# Altium PCB XMOS_TSBOARD.PcbDoc (part 2 of 3)
Units mil, origin at the board's own origin, x right, y up, seen from the top; angles counter-clockwise.
Board outline 7212.32 x 3175.44 mil, 4 copper layers (Top Layer, Ground Layer, Power Layer, Bottom Layer), stack 62.502 mil thick; 361 components, 214 nets, 1129 pads, 632 vias.
Unrouted connection lines stored in the file: 5.
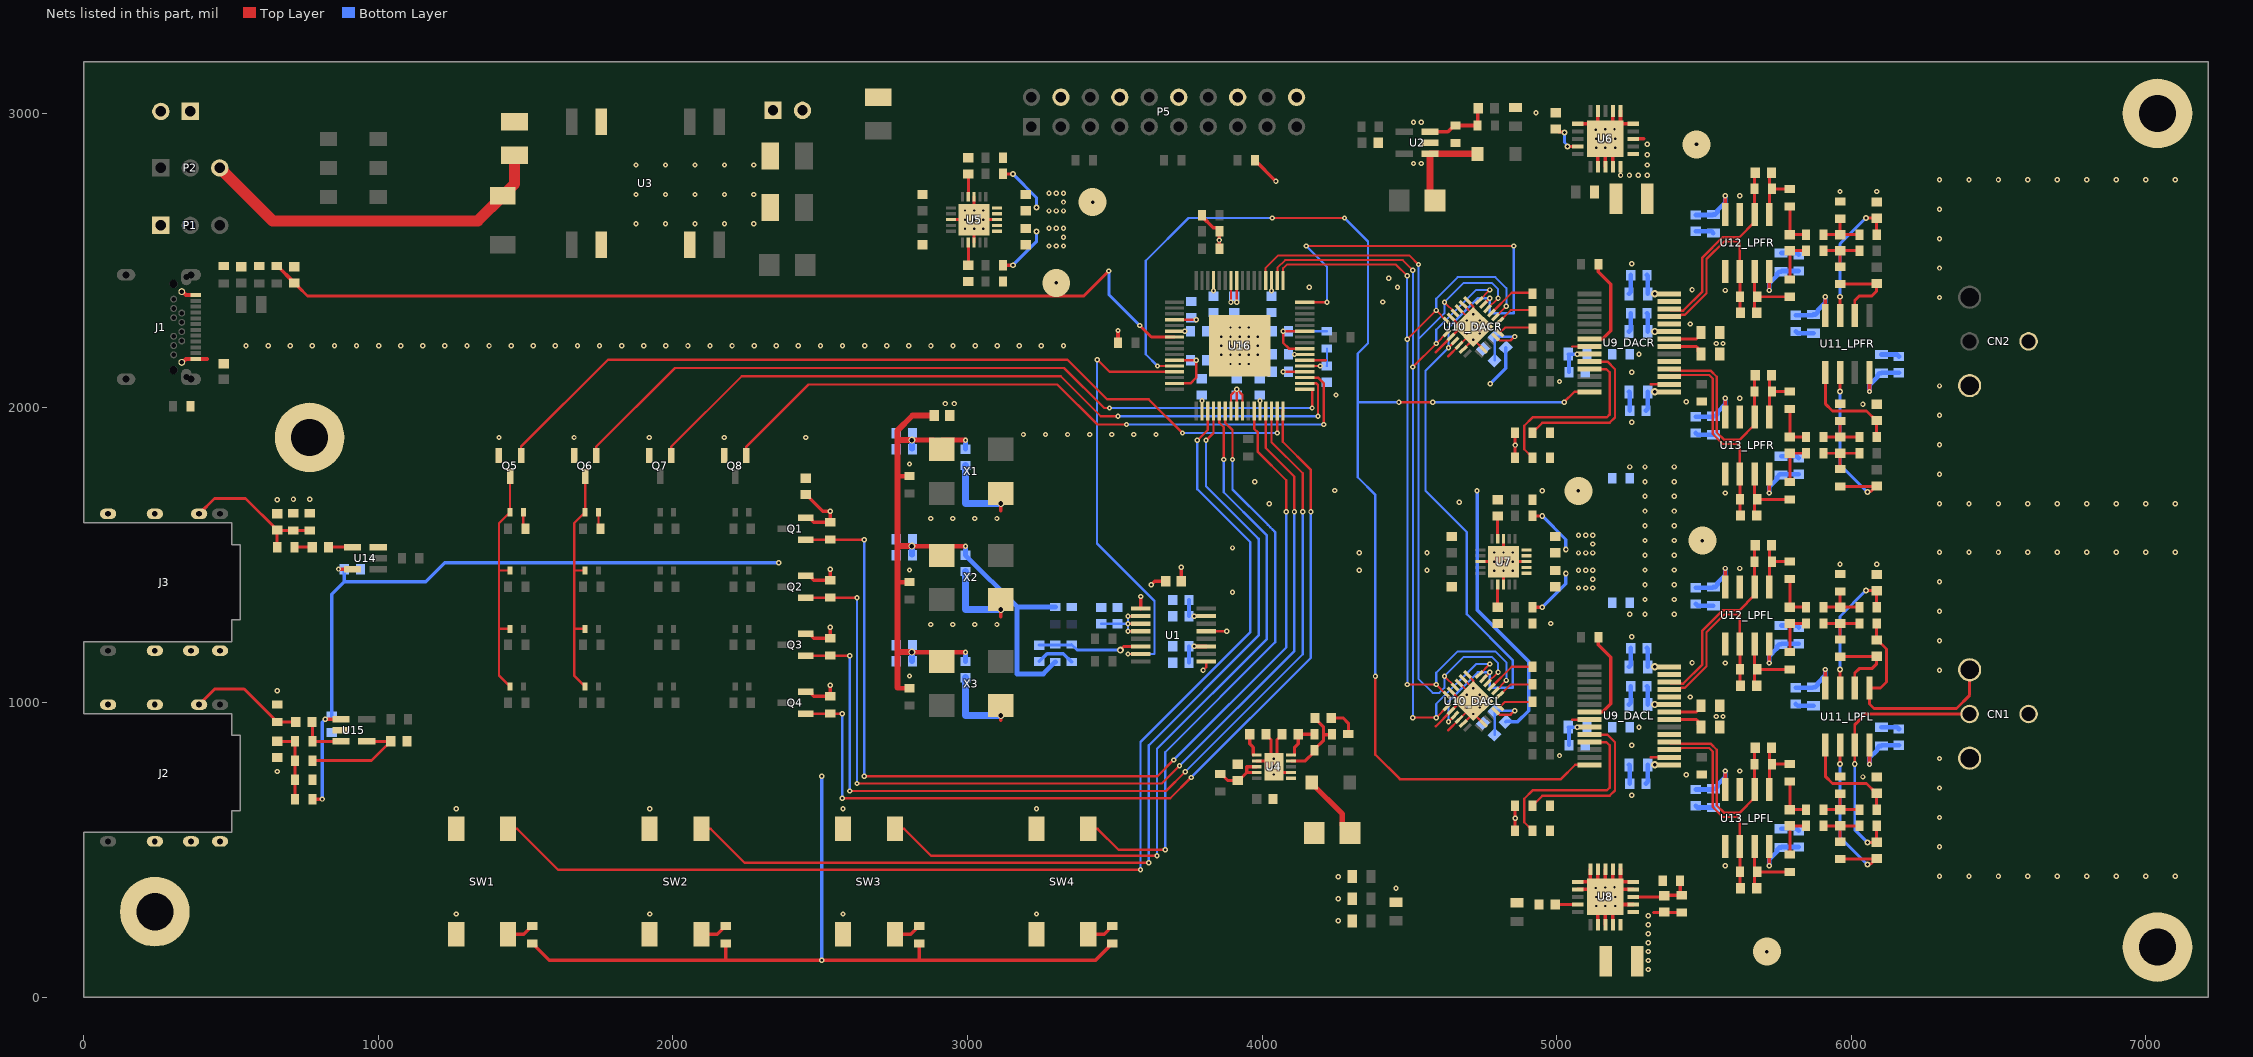
[diagram p4: the nets of this part, all layers, seen from the top]

## Via types
v1: diameter 18, hole 8, Top Layer to Bottom Layer, tented both sides, 573 vias
v2: diameter 20, hole 10, Top Layer to Bottom Layer, tented both sides, 28 vias
v3: diameter 0/95 (per signal layer), hole 12, Top Layer to Bottom Layer, tented top, 7 vias

## Via types (continued)
v4: diameter 25, hole 12, Top Layer to Bottom Layer, tented both sides, 6 vias
v5: diameter 23.62, hole 15.75, Top Layer to Bottom Layer, tented both sides, 6 vias
v6: diameter 18, hole 8, Top Layer to Bottom Layer, 4 vias
v7: diameter 23.62, hole 11.81, Top Layer to Bottom Layer, tented both sides, 4 vias
v8: diameter 78.74, hole 62.99, Top Layer to Bottom Layer, 4 vias

## Nets (pads, with @x,y where several pads share a name; then routed paths per layer and width w, separated by ;. In a path a pad name is that pad's centre, name@x,y a point inside that pad or via, vN(x,y) a via of type N, cw(c..) or ccw(c..) an arc to the next point about the centre after c; other vN are vias at no path point)
1V0: C34.2 C104.2 C105.2 C106.2 C107.2 C108.2 C109.2 R22.2 R105.2 U5.14 U5.15 U16.9 U16.10 U16.20 U16.27 U16.31 U16.39 U16.40 U16.41 U16.52 U16.56 U16.59 | length 1252.9
  Top Layer w8: U16.31@3702.8,2083.42 3756.81,2083.42 3776.55,2103.16 v1(3776.55,2162.11) ; U16.27@3702.8,2162.16 v1@3776.5,2162.16 ; U16.20@3702.8,2299.96 3776.5,2299.96 v1(3776.55,2299.9) ; v1(3894.47,2358.88) 3894.52,2358.93 U16.10@3894.52,2432.63 ; U16.39@3894.52,1990.13 3894.52,2044.14 v1(3914.26,2063.87) ; v1(3914.15,2358.88) 3914.21,2358.93 U16.9@3914.21,2432.63 ; U16.40@3914.21,1990.13 v1(3914.26,2063.87) ; U16.41@3933.89,1990.13 3933.89,2044.24 v1(3914.26,2063.87) ; v1(4071.55,2122.85) 4071.6,2122.79 U16.52@4145.3,2122.79 ; v1(4071.55,2260.64) 4071.55,2221.36 4091.37,2201.53 U16.56@4145.3,2201.53 ; v1@4071.6,2260.59 U16.59@4145.3,2260.59
  Top Layer w11: R22.2@3120.93,2794.56 v2(3154,2794.56)
  Bottom Layer w8: C105.2@4090.3,2260.59 R105.2@4220.42,2260.59
  Bottom Layer w11: v2(3154,2794.56) 3234,2714.56 v2(3234,2680.12)
  other v1: 3277,2669.06 3301.5,2669.06 3326,2669.06 3326,2699.06 3277,2729.06 3301.5,2729.06 3326,2729.06
  other v3: 3425,2699.06
3V3A: C37.2 C52.2 C88.2 C93.2 C98.2 C99.2 C100.2 C101.2 C102.2 C103.2 FB1.1 FB2.1 FB3_DACL.1 FB3_DACR.1 Q1.2 Q2.2 Q3.2 Q4.2 R24.2 R32.1 R37.1 R38.1 R43.1 R44.1 R45.1 R50.1 R55.1 R96.2 R106.1 R107.1 R108.1 R109.2 U5.11 U5.12 U14.5 U15.1 U16.3 U16.13 U16.22 U16.34 U16.44 U16.55 | length 7346.3
  Top Layer w11: R24.2@3120.94,2484.56 v2(3154,2484.56)
  Top Layer w12: R96.2@776.73,672.28 v1(810,672.28) ; v1(820,943.33) U15.1@872.74,943.33 ; v1(865,1453.1) U14.5@911.78,1453.1 ; R32.1@1522.32,182.64 1526.26,182.64 1534.04,174.86 1534.04,170.92 1579.96,125 2178.99,125 ; R38.1@2178.99,182.64 2178.99,125 ; Q4.2@2451.42,1037.5 2466.42,1037.5 2471.42,1032.5 2471.42,1028.59 2478.45,1021.56 R55.1@2534.2,1021.56 v1(2534.2,1059.2) ; Q3.2@2451.42,1234.35 2466.42,1234.35 2471.42,1229.35 2471.42,1225.43 2478.45,1218.41 R50.1@2534.2,1218.41 v1(2534.2,1256.05) ; Q2.2@2451.42,1431.2 2466.42,1431.2 2471.42,1426.2 2471.42,1422.29 2478.45,1415.26 R43.1@2534.2,1415.26 v1(2534.2,1452.9) ; Q1.2@2451.42,1628.05 2466.42,1628.05 2471.42,1623.05 2471.42,1619.14 2478.45,1612.11 R37.1@2534.2,1612.11 v1(2534.2,1649.75) 2508.23,1649.75 2463.13,1694.84 2463.13,1696.81 2453.38,1706.56 C52.2@2451.42,1706.56 ; R44.1@2835.66,182.64 2835.66,125 ; R45.1@3492.32,182.64 3488.39,182.64 3480.61,174.86 3480.61,170.92 3434.69,125 2835.66,125 ; FB2.1@3725.96,1411.84 v1(3725.96,1459.04) ; R109.2@3796.1,2654.05 3796.1,2650.12 3834.5,2611.72 3847.37,2611.72 3855.15,2603.94 R108.1@3855.15,2600 R107.1@3855.15,2540 ; R106.1@3976.38,2840.79 v1(4047.17,2770) ; 2178.99,125 v1(2505,125) 2835.66,125
  Bottom Layer w11: v2(3154,2484.56) 3234,2564.56 v2(3234,2599)
  Bottom Layer w12: v1(810,672.28) 810,933.3 v1(820,943.33) ; C93.2@841.73,953.49 841.73,1368.11 884.23,1410.61 ; C88.2@884.23,1453.1 884.23,1410.61 ; v1(2359.45,1475) 1225,1475 1160.61,1410.61 884.23,1410.61 ; v1(2505,125) v1(2505,750) ; v1(4730,1718.79) 4730,1314.59 4905,1139.59 4905,972.48 4867.52,935 4845,935 4843.23,936.77 4829.09,936.77 FB3_DACL.1@4827.32,935 ; v1(4775,2082.36) 4827.32,2134.68 FB3_DACR.1@4827.32,2205
  other v1: 2925,2015 2955,2015 3796.15,2025 3993,2025 4110.42,2181.9 3737.67,2260.53 3835.41,2397.75 4032.26,2397.75 3277,2550 3301.5,2550 3326,2550 3855,2570 3326,2580 3277,2610 3301.5,2610 3326,2610
  other v3: 3301.5,2425
3V3B: C43.2 C56_DACL.1 C56_DACR.1 C57_DACL.2 C57_DACR.2 R26.2 R63_DACL.1 R63_DACR.1 R66_DACL.1 R66_DACR.1 U7.14 U7.15 U9_DACL.9 U9_DACR.9 | length 528.5
  Top Layer w10: R66_DACL.1@4859.21,565.47 R63_DACL.1@4859.21,650 ; R66_DACR.1@4859.21,1831.81 R63_DACR.1@4859.21,1916.34
  Top Layer w11: R26.2@4918.26,1633.56 v2(4951.32,1633.56)
  Bottom Layer w11: v2(4951.32,1633.56) 5031.32,1553.56 v2(5031.32,1519.12)
  Bottom Layer w12: C56_DACL.1@5040.1,916.61 v1(5070,916.61) ; C56_DACR.1@5040.1,2182.95 v1(5070,2182.95) ; C57_DACL.2@5042.2,855 C56_DACL.1@5042.2,914.51 ; C57_DACR.2@5042.2,2121.34 C56_DACR.1@5042.2,2180.85
  other v1: 4859.21,607.74 5074.32,1508.06 5098.82,1508.06 5123.32,1508.06 5123.32,1538.06 5074.32,1568.06 5098.82,1568.06 5123.32,1568.06 4859.21,1874.07
  other v3: 5074.32,1718.79
5V: C48.2 C53_DACL.1 C53_DACR.1 C54_DACL.1 C54_DACR.1 C58_DACL.1 C58_DACR.1 C59_DACL.2 C59_DACR.2 C60_DACL.1 C60_DACR.1 C61_DACL.2 C61_DACR.2 C62_DACL.1 C62_DACR.1 C63_DACL.2 C63_DACR.2 R29.2 U7.11 U7.12 U9_DACL.15 U9_DACL.23 U9_DACL.28 U9_DACR.15 U9_DACR.23 U9_DACR.28 | length 567.3
  Top Layer w11: R29.2@4918.27,1323.56 v2(4951.32,1323.56)
  Bottom Layer w11: v2(4951.32,1323.56) 5031.32,1403.56 v2(5031.32,1438)
  Bottom Layer w16: C59_DACL.2@5303.39,725 5309.55,731.16 C60_DACL.1@5309.55,788.66 ; C59_DACR.2@5303.39,1991.34 5309.55,1997.5 C60_DACR.1@5309.55,2055 ; C61_DACL.2@5307.32,1055 5309.55,1052.78 C58_DACL.1@5309.55,993.39 ; C63_DACL.2@5307.32,1185 5309.55,1182.78 C62_DACL.1@5309.55,1121.34 ; C61_DACR.2@5307.32,2321.34 5309.55,2319.12 C58_DACR.1@5309.55,2259.72 ; C63_DACR.2@5307.32,2451.34 5309.55,2449.12 C62_DACR.1@5309.55,2387.68
  other v1: 5542,952.66 5565,952.66 5074.32,1389 5098.82,1389 5123.32,1389 5123.32,1419 5074.32,1449 5098.82,1449 5123.32,1449 5542,2219 5565,2219
  other v3: 5495,1550
  other v4: 5333,788.66 5333,993.39 5333,1121.34 5333,2055 5333,2259.72 5333,2387.68
+12: C39.2 C64_LPFL.1 C64_LPFR.1 C65_LPFL.1 C65_LPFR.1 C66_LPFL.1 C66_LPFR.1 C67_LPFL.2 C67_LPFR.2 C68_LPFL.2 C68_LPFR.2 C69_LPFL.2 C69_LPFR.2 U6.1 U6.3 U6.20 U11_LPFL.8 U11_LPFR.8 U12_LPFL.8 U12_LPFR.8 U13_LPFL.8 U13_LPFR.8 | length 1283.2
  Top Layer w12: U6.3@5260.34,2913.78 5296.32,2913.78 ; v1(5722.32,446.5) U13_LPFL.8@5722.32,511 ; v1(5722.32,1134.19) U12_LPFL.8@5722.32,1198.69 ; v1(5722.32,1711.5) U13_LPFR.8@5722.32,1776 ; v1(5722.32,2399.19) U12_LPFR.8@5722.32,2463.69 ; v1(6062.32,791) U11_LPFL.8@6062.32,855.5 ; v1(6062.32,2056) U11_LPFR.8@6062.32,2120.5
  Bottom Layer w16: v1(5722.32,446.5) 5722.32,467.78 5748.32,493.78 5748.32,500.03 5756.07,507.78 C64_LPFL.1@5762.32,507.78 5764.55,510 C67_LPFL.2@5822.32,510 ; v1(5722.32,1134.19) 5722.32,1157.78 5748.32,1183.78 5748.32,1190.03 5756.07,1197.78 C65_LPFL.1@5762.32,1197.78 5764.55,1200 C68_LPFL.2@5822.32,1200 ; v1(5722.32,1711.5) 5722.32,1732.78 5748.32,1758.78 5748.32,1765.03 5758.3,1775 C67_LPFR.2@5822.32,1775 ; v1(5722.32,2399.19) 5722.32,2422.78 5748.32,2448.78 5748.32,2455.03 5756.07,2462.78 C65_LPFR.1@5762.32,2462.78 5764.55,2465 C68_LPFR.2@5822.32,2465 ; v1(6062.32,791) 6062.32,812.78 6088.32,838.78 6088.32,845.03 6096.07,852.78 C66_LPFL.1@6102.32,852.78 6104.55,855 C69_LPFL.2@6162.32,855 ; v1(6062.32,2056) 6062.32,2077.78 6088.32,2103.78 6088.32,2110.03 6096.07,2117.78 C66_LPFR.1@6102.32,2117.78 6104.55,2120 C69_LPFR.2@6162.32,2120
  other v1: 5217.32,2790 5247.32,2790 5277.32,2790 5307.32,2790 5307.32,2825 5307.32,2860 5307.32,2895
  other v3: 5475,2895
-12: C47.1 C49.2 C70_LPFL.2 C70_LPFR.2 C71_LPFL.2 C71_LPFR.2 C72_LPFL.2 C72_LPFR.2 C73_LPFL.2 C73_LPFR.2 C74_LPFL.2 C74_LPFR.2 C75_LPFL.2 C75_LPFR.2 R28.1 U8.1 U8.20 U11_LPFL.4 U11_LPFR.4 U12_LPFL.4 U12_LPFR.4 U13_LPFL.4 U13_LPFR.4 | length 1328.8
  Top Layer w11: 5330,286.85 5365,286.85 R28.1@5425,286.85 ; U13_LPFL.4@5572.32,704.5 U13_LPFL.4@5572.32,705 v1(5572.32,767.69) ; U12_LPFL.4@5572.32,1392.19 U12_LPFL.4@5572.32,1392.69 v1(5572.32,1455.39) ; U13_LPFR.4@5572.32,1969.5 U13_LPFR.4@5572.32,1970 v1(5572.32,2032.69) ; U12_LPFR.4@5572.32,2657.19 U12_LPFR.4@5572.32,2657.69 v1(5572.32,2720.39) ; U11_LPFL.4@5912.32,1049 U11_LPFL.4@5912.32,1049.5 v1(5912.32,1112.19) ; U11_LPFR.4@5912.32,2314.5 v1(5912.32,2377.69)
  Bottom Layer w16: C74_LPFL.2@5472.32,705 5530.1,705 C75_LPFL.2@5532.32,707.22 5538.57,707.22 5546.32,714.97 5546.32,721.22 5572.32,747.22 v1(5572.32,767.69) ; C72_LPFL.2@5472.32,1390 5530.1,1390 C73_LPFL.2@5532.32,1392.22 5538.57,1392.22 5546.32,1399.97 5546.32,1406.22 5572.32,1432.22 v1(5572.32,1455.39) ; C74_LPFR.2@5472.32,1970 5530.1,1970 C75_LPFR.2@5532.32,1972.22 5538.57,1972.22 5546.32,1979.97 5546.32,1986.22 5572.32,2012.22 v1(5572.32,2032.69) ; C72_LPFR.2@5472.32,2655 5530.1,2655 C73_LPFR.2@5532.32,2657.22 5538.57,2657.22 5546.32,2664.97 5546.32,2671.22 5572.32,2697.22 v1(5572.32,2720.39) ; C70_LPFL.2@5812.32,1050 5870.1,1050 C71_LPFL.2@5872.32,1052.22 5878.57,1052.22 5886.32,1059.97 5886.32,1066.22 5912.32,1092.22 v1(5912.32,1112.19) ; C70_LPFR.2@5812.32,2315 5870.1,2315 C71_LPFR.2@5872.32,2317.22 5878.57,2317.22 5886.32,2324.97 5886.32,2331.22 5912.32,2357.22 v1(5912.32,2377.69)
  other v1: 5311,94 5311,124.33 5311,154.67 5311,185 5311,215.33 5311,245.67 5311,276
  other v3: 5714.23,154.67
ADR0_SEL_DACL: R63_DACL.2 R64_DACL.1 U9_DACL.10 | length 561.4
  Top Layer w8: R64_DACL.1@4918.27,650 4951.93,683.66 5180.07,683.66 5198.14,701.74 5198.14,865.43 5172.55,891.02 U9_DACL.10@5112.32,891.02
ADR0_SEL_DACR: R63_DACR.2 R64_DACR.1 U9_DACR.10 | length 561.4
  Top Layer w8: R64_DACR.1@4918.27,1916.34 4951.93,1950 5180.07,1950 5198.14,1968.08 5198.14,2131.77 5172.55,2157.36 U9_DACR.10@5112.32,2157.36
ADR1_SEL_DACL: R66_DACL.2 R67_DACL.1 U9_DACL.11 | length 641.3
  Top Layer w8: R67_DACL.1@4918.27,565.47 4890,593.74 4890,673.66 4918.08,701.74 5170.63,701.74 5180,711.11 5180,855.01 5169.58,865.43 U9_DACL.11@5112.32,865.43
ADR1_SEL_DACR: R66_DACR.2 R67_DACR.1 U9_DACR.11 | length 641.3
  Top Layer w8: R67_DACR.1@4918.27,1831.81 4890,1860.08 4890,1940 4918.08,1968.08 5170.63,1968.08 5180,1977.45 5180,2121.35 5169.58,2131.77 U9_DACR.11@5112.32,2131.77
AGND: C58_DACL.2 C58_DACR.2 C59_DACL.1 C59_DACR.1 C60_DACL.2 C60_DACR.2 C61_DACL.1 C61_DACR.1 C62_DACL.2 C62_DACR.2 C63_DACL.1 C63_DACR.1 C64_LPFL.2 C64_LPFR.2 C65_LPFL.2 C65_LPFR.2 C66_LPFL.2 C66_LPFR.2 C67_LPFL.1 C67_LPFR.1 C68_LPFL.1 C68_LPFR.1 C69_LPFL.1 C69_LPFR.1 C70_LPFL.1 C70_LPFR.1 C71_LPFL.1 C71_LPFR.1 C72_LPFL.1 C72_LPFR.1 C73_LPFL.1 C73_LPFR.1 C74_LPFL.1 C74_LPFR.1 C75_LPFL.1 C75_LPFR.1 C76_LPFL.2 C76_LPFR.2 C78_LPFL.2 C78_LPFR.2 CN1.1 CN1.G CN2.1 CN2.G pad.8 R62_DACL.2 R62_DACR.2 R65_DACL.2 R65_DACR.2 R68_LPFL.2 R68_LPFR.2 R69_LPFL.2 R69_LPFR.2 R73_LPFL.2 R73_LPFR.2 U9_DACL.16 U9_DACL.19 U9_DACL.24 U9_DACL.27 U9_DACR.16 U9_DACR.19 U9_DACR.24 U9_DACR.27 U12_LPFL.3 U12_LPFL.5 U12_LPFR.3 U12_LPFR.5 U13_LPFL.3 U13_LPFL.5 U13_LPFR.3 U13_LPFR.5 | length 1265.2
  Top Layer w8: 5320,814.25 U9_DACL.16@5382.32,814.25 ; 5320,2080.59 U9_DACR.16@5382.32,2080.59
  Bottom Layer w16: C60_DACL.2@5246.05,788.66 5248.27,786.44 C59_DACL.1@5248.27,725 ; C58_DACL.2@5246.05,993.39 5252.2,999.55 C61_DACL.1@5252.2,1055 ; C62_DACL.2@5246.05,1121.34 5252.2,1127.5 C63_DACL.1@5252.2,1185 ; C60_DACR.2@5246.05,2055 5248.27,2052.78 C59_DACR.1@5248.27,1991.34 ; C58_DACR.2@5246.05,2259.72 5252.2,2265.88 C61_DACR.1@5252.2,2321.34 ; C62_DACR.2@5246.05,2387.68 5252.2,2393.84 C63_DACR.1@5252.2,2451.34 ; C74_LPFL.1@5472.32,649.88 5478.48,643.72 C75_LPFL.1@5532.32,643.72 ; C72_LPFL.1@5472.32,1334.88 5478.48,1328.72 C73_LPFL.1@5532.32,1328.72 ; C74_LPFR.1@5472.32,1914.88 5478.48,1908.72 C75_LPFR.1@5532.32,1908.72 ; C72_LPFR.1@5472.32,2599.88 5526.16,2599.88 C73_LPFR.1@5532.32,2593.72 ; C64_LPFL.2@5762.32,571.28 5816.16,571.28 C67_LPFL.1@5822.32,565.12 ; C65_LPFL.2@5762.32,1261.28 5816.16,1261.28 C68_LPFL.1@5822.32,1255.12 ; C64_LPFR.2@5762.32,1836.28 5816.16,1836.28 C67_LPFR.1@5822.32,1830.12 ; C65_LPFR.2@5762.32,2526.28 5816.16,2526.28 C68_LPFR.1@5822.32,2520.12 ; C70_LPFL.1@5812.32,994.88 5818.48,988.72 C71_LPFL.1@5872.32,988.72 ; C70_LPFR.1@5812.32,2259.88 5818.48,2253.72 C71_LPFR.1@5872.32,2253.72 ; C66_LPFL.2@6102.32,916.28 6156.16,916.28 C69_LPFL.1@6162.32,910.12 ; C66_LPFR.2@6102.32,2181.28 6156.16,2181.28 C69_LPFR.1@6162.32,2175.12
  other v1: 6300,410 6400,410 6500,410 6600,410 6700,410 6800,410 6900,410 7000,410 7100,410 5572.32,446.5 6300,510 6300,610 5255,685 6300,710 6040,747.56 5440,755.2 5622.32,767.69 6300,810 5255,855 5280,916.61 5454,1018.98 6300,1110 5572.32,1134.19 5460,1134.66 6300,1210 5255,1223.66 5248.27,1300 5300,1300 5400,1300 6300,1310 5300,1350 5400,1350 5300,1400 5400,1400 6300,1410 5300,1450 5400,1450 5622.32,1455.39 5962.32,1470 6086.85,1470 5300,1500 5400,1500 6300,1510 6400,1510 6500,1510 6600,1510 6700,1510 6800,1510 6900,1510 7000,1510 7100,1510 5300,1550 5400,1550 5300,1600 5400,1600 5300,1650 5400,1650 6300,1675 6400,1675 6500,1675 6600,1675 6700,1675 6800,1675 6900,1675 7000,1675 7100,1675 5300,1700 5400,1700 5572.32,1711.5 5300,1750 5400,1750 6300,1775 5248.27,1800 5300,1800 5400,1800 6300,1875 5255,1951.34 6300,1975 6040,2012.56 5440,2021.54 5622.32,2032.69 6300,2075 5255,2121.34 5280,2182.95 5454,2285.31 6300,2375 5572.32,2399.19 5460,2401 6300,2475 5255,2490 6300,2575 6300,2675 5622.32,2720.39 5962.32,2735 6086.85,2735 6300,2775 6400,2775 6500,2775 6600,2775 6700,2775 6800,2775 6900,2775 7000,2775 7100,2775
BUTTON_0: R32.2 SW1.3 SW1.4 U16.35 | length 4100
  Top Layer w8: SW1.4@1440.32,571.17 1471.82,571.17 1610.39,432.6 v1(3587.4,432.6) ; v1(3780,1890) 3815.78,1925.78 U16.35@3815.78,1990.13
  Top Layer w11.55: SW1.3@1440.32,213.17 1493.8,213.17 R32.2@1522.32,241.69
  Bottom Layer w8: v1(3587.4,432.6) 3587.4,866.19 3960.6,1239.4 3960.6,1543.99 3780,1724.6 v1(3780,1890)
BUTTON_1: R38.2 SW2.3 SW2.4 U16.36 | length 3433.5
  Top Layer w8: SW2.4@2096.99,571.17 2128.49,571.17 2243.86,455.8 v1(3615.4,455.8) ; v1(3810,1890) 3835.47,1915.47 U16.36@3835.47,1990.13
  Top Layer w11.55: SW2.3@2096.99,213.17 2150.46,213.17 R38.2@2178.99,241.69
  Bottom Layer w8: v1(3615.4,455.8) 3615.4,854.59 3988.6,1227.8 3988.6,1555.59 3980.4,1563.79 3810,1734.2 v1(3810,1890)
BUTTON_2: R44.2 SW3.3 SW3.4 U16.37 | length 2752.9
  Top Layer w8: SW3.4@2753.66,571.17 2785.16,571.17 2876.32,480 v1(3643.4,480) ; U16.37@3855.15,1990.13 3855.15,1950 3870,1935.15 v1(3870,1825)
  Top Layer w11.55: SW3.3@2753.66,213.17 2807.13,213.17 R44.2@2835.66,241.69
  Bottom Layer w8: v1(3643.4,480) 3643.4,842.99 4016.6,1216.2 4016.6,1567.19 4008.4,1575.39 4000.2,1583.59 3870,1713.79 v1(3870,1825)
BUTTON_3: R45.2 SW4.3 SW4.4 U16.38 | length 2099.4
  Top Layer w8: SW4.4@3410.32,571.17 3441.82,571.17 3512.99,500 v1(3671.4,500) ; U16.38@3874.84,1990.13 3874.84,1950 3900,1924.84 v1(3900,1825)
  Top Layer w11.55: SW4.3@3410.32,213.17 3463.8,213.17 R45.2@3492.32,241.69
  Bottom Layer w8: v1(3671.4,500) 3671.4,831.4 4044.6,1204.6 4044.6,1578.79 4036.4,1586.99 4028.2,1595.19 4020,1603.39 3900,1723.39 v1(3900,1825)
CLK_SEL: U1.7 U16.29 | length 1492.4
  Top Layer w8: v6(3441,2164) 3482.21,2122.79 U16.29@3702.8,2122.79 ; v1(3545,1165) 3588.46,1165 U1.7@3588.46,1165.29
  Bottom Layer w8: v6@3440,2164 3440,1540 3635,1345 3635,1165 v1(3545,1165)
CN_RCA_IN: C91.1 J2.2 R93.2 | length 396.3
  Top Layer w10: J2.2@391.73,993 444.73,1046 544.68,1046 R93.2@656.73,933.94 C91.1@719.65,933.94
CN_RCA_OUT: C90.2 J3.2 R89.2 R90.2 R91.2 | length 496.9
  Top Layer w10: J3.2@391.73,1640.72 444.02,1693 549.33,1693 C90.2@656.73,1585.6 ; R89.2@656.73,1527.88 656.73,1583.63 R90.2@711.73,1583.63 R91.2@766.73,1583.63
DAC_BCK: U10_DACL.8 U10_DACL.18 U10_DACR.8 U10_DACR.18 U16.1 | length 3083.1
  Top Layer w6.9: U16.1@4071.69,2432.63 4071.69,2474.38 4084.31,2487 4455,2487 v1(4493,2449) ; v1(4493.25,1061.24) v1(4591.49,1061.24) U10_DACL.18@4627.55,1025.18 ; v1(4493.25,2233) v1(4591.49,2331.24) U10_DACR.18@4627.55,2295.18 ; U10_DACL.8@4793.19,1039.1 v1(4829.25,1075.15) ; U10_DACR.8@4793.19,2309.1 v1(4829.25,2345.15)
  Bottom Layer w6.9: v1@4493,2233 v1(4493,2449) ; v1(4493.25,1061.24) v1(4493.25,2233) ; v1(4591.49,1061.24) 4591.49,1101.49 4664,1174 4792,1174 4829.25,1136.75 v1(4829.25,1075.15) ; v1(4591.49,2331.24) 4591.49,2371.49 4664,2444 4792,2444 4829.25,2406.75 v1(4829.25,2345.15)
DAC_DATA: U10_DACL.10 U10_DACL.16 U10_DACR.10 U10_DACR.16 U16.4 | length 3066.4
  Top Layer w6.9: U16.4@4012.63,2432.63 4012.63,2475.69 4053.94,2517 4501.08,2517 v1(4531.04,2487.04) ; v1(4619.33,1089.08) U10_DACL.16@4655.39,1053.02 ; v1(4619.33,2359.08) U10_DACR.16@4655.39,2323.02 ; U10_DACR.10@4765.35,2336.94 v1(4801.4,2373) ; U10_DACL.10@4765.35,1066.94 v1(4801.4,1103) U10_DACL.10@4765.35,1066.94
  Bottom Layer w6.9: v1(4531.04,2487.04) 4531.04,2233.04 ; v1(4801.4,1103) 4801.4,1133.6 4780,1155 4685.25,1155 v1(4619.33,1089.08) 4619.33,1050.33 4602,1033 4579,1033 4531.04,1080.96 4531.04,2233.04 ; v1(4801.4,2373) 4801.4,2403.6 4780,2425 4685.25,2425 v1(4619.33,2359.08) 4619.33,2321.33 4531.04,2233.04
DAC_RST: U9_DACL.14 U9_DACR.14 U16.28 | length 4645.2
  Top Layer w8: v1(3645,2142.48) U16.28@3702.8,2142.48 ; v1(4035,2645) v1(4280,2645) ; v1(4385,1089.08) 4385,822.93 4467.93,740 5015,740 5063.66,788.66 U9_DACL.14@5112.32,788.66 ; v1(4464.8,2020) v1(4580,2020) ; v1(5025.62,2020) 5060.62,2055 U9_DACR.14@5112.32,2055
  Bottom Layer w8: v1(3645,2142.48) 3605,2182.48 3605,2500 3750,2645 v1(4035,2645) ; v1(4280,2645) 4360,2565 4360,2220 4325,2185 4325,2020 ; v1(4385,1089.08) 4385,1705 4325,1765 4325,2020 ; v1(4464.8,2020) 4325,2020 ; v1(4580,2020) v1(5025.62,2020)
DAC_WDCK: U10_DACL.12 U10_DACL.19 U10_DACR.12 U10_DACR.19 U16.2 | length 3013.1
  Top Layer w6.9: U16.2@4052,2432.63 4052,2475.69 4078.31,2502 4478.04,2502 v1(4512.02,2468.02) ; v1(4512.02,948.77) v1(4591.48,948.77) U10_DACL.19@4627.54,984.83 ; v1(4512,2139.29) v1(4591.48,2218.77) U10_DACR.19@4627.54,2254.83 ; U10_DACL.12@4737.5,1094.79 v1(4773.56,1130.85) ; U10_DACR.12@4737.5,2364.79 v1(4773.56,2400.85)
  Bottom Layer w6.9: v1(4512.02,948.77) v1(4512,2139.29) v1(4512.02,2468.02) ; v1(4591.48,948.77) 4591.48,995.69 4726.64,1130.85 v1(4773.56,1130.85) ; v1(4591.48,2218.77) 4591.48,2265.69 4726.64,2400.85 v1(4773.56,2400.85)
DACL_MCLK: R9.1 U9_DACL.7 | length 326.2
  Top Layer w11.55: U9_DACL.7@5112.32,967.8 5155.8,967.8 5184,996 5184,1154 5141.85,1196.15 R9.1@5141.85,1221.34
DACR_MCLK: R7.1 U9_DACR.7 | length 326.2
  Top Layer w11.55: U9_DACR.7@5112.32,2234.13 5155.8,2234.13 5184,2262.34 5184,2420.34 5141.85,2462.49 R7.1@5141.85,2487.68
DBCK_DACL: R58_DACL.1 U10_DACL.6 | length 118.6
  Top Layer w6.9: U10_DACL.6@4807.11,984.82 4824.98,1002.69 R58_DACL.1@4918.27,1002.69
DBCK_DACR: R58_DACR.1 U10_DACR.6 | length 118.6
  Top Layer w6.9: U10_DACR.6@4807.11,2254.82 4824.98,2272.69 R58_DACR.1@4918.27,2272.69
DC_5V: P1.1 P4.2
DC_GND: C20.2 FB5.1 J1.A1 J1.A12 J1.B1 J1.B12 P3.1 P4.1 R98.2 R99.2 U3.2 U3.11 | length 142.9
  Top Layer w14: J1.B1@332.68,2154.88 335.28,2154.88 346.98,2166.58 380.01,2166.58 J1.A12@380.12,2166.69 418.31,2166.69 ; J1.B12@332.68,2395.04 335.28,2395.04 346.98,2383.34 380.01,2383.34 J1.A1@380.12,2383.23
DSD_MODE: U10_DACL.11 U10_DACL.21 U10_DACR.11 U10_DACR.21 U16.64 | length 3426.7
  Top Layer w8: U16.64@4145.3,2359.01 v1(4220.42,2359.01) ; v1(4150,2550) v1(4855,2550) ; v1(4633.25,934.85) U10_DACL.21@4655.38,956.98 ; v1(4633.25,2204.85) U10_DACR.21@4655.38,2226.98 ; U10_DACL.11@4751.42,1080.87 v1(4773.56,1103) ; U10_DACR.11@4751.42,2350.87 v1(4773.56,2373)
  Bottom Layer w8: v1(4150,2550) 4220.42,2479.58 v1(4220.42,2359.01) ; v1(4633.25,934.85) 4633.25,1003.25 4733,1103 v1(4773.56,1103) 4773.56,1050.33 4850.83,1050.33 4850.83,1144.17 4695.41,1299.59 4695.41,1578.38 4555,1718.79 4555,2126.6 v1(4633.25,2204.85) 4633.25,2273.25 4733,2373 v1(4773.56,2373) 4773.56,2321.34 4855,2321.34 v1(4855,2550)
DSDL_DACL: R56_DACL.1 U10_DACL.9 | length 167.3
  Top Layer w8: U10_DACL.9@4779.27,1053.02 4847.59,1121.34 R56_DACL.1@4918.27,1121.34
DSDL_DACR: R56_DACR.1 U10_DACR.9 | length 167.3
  Top Layer w8: U10_DACR.9@4779.27,2323.02 4847.59,2391.34 R56_DACR.1@4918.27,2391.34
DSDR_DACL: R57_DACL.1 U10_DACL.7 | length 126.4
  Top Layer w6.9: U10_DACL.7@4807.12,1025.17 4843.96,1062.02 R57_DACL.1@4918.27,1062.02
DSDR_DACR: R57_DACR.1 U10_DACR.7 | length 126.4
  Top Layer w6.9: U10_DACR.7@4807.12,2295.17 4843.96,2332.02 R57_DACR.1@4918.27,2332.02
GND: C1.1 C2.1 C3.1 C4.1 C5.1 C6.1 C7.1 C8.1 C9.1 C10.1 C11.1 C12.1 C13.1 C14.1 C15.1 C16.1 C17.1 C18.1 C21.2 C22.2 C23.2 C24.2 C26.1 C27.2 C28.1 C29.2 C30.1 C31.2 C32.1 C33.1 C34.1 C35.1 C36.1 C37.1 C38.1 C39.1 C40.1 C41.1 C42.1 C43.1 C44.1 C45.1 C46.1 C48.1 C49.1 C50.1 C51.1 C52.1 C55_DACL.1 C55_DACR.1 C56_DACL.2 C56_DACR.2 C57_DACL.1 C57_DACR.1 C88.1 C90.1 C92.1 C93.1 C94.1 C95.1 C96.1 C97.1 C98.1 C99.1 C100.1 C101.1 C102.1 C103.1 C104.1 C105.1 C106.1 C107.1 C108.1 C109.1 J2.1 J2.3 J2.4 J2.SH1 J2.SH2 J3.1 J3.3 J3.4 J3.SH1 J3.SH2 L4.2 P3.2 P5.4 P5.8 P5.12 P5.16 P5.20 pad.6 pad.7 Q5.2 Q6.2 Q7.2 Q8.2 R11.2 R12.1 R17.1 R23.2 R25.2 R27.2 R30.2 R31.2 R64_DACL.2 R64_DACR.2 R65_DACL.1 R65_DACR.1 R67_DACL.2 R67_DACR.2 R68_LPFL.1 R68_LPFR.1 R90.1 R91.1 R93.1 R97.1 R100.1 R102.2 SW1.1 SW1.2 SW2.1 SW2.2 SW3.1 SW3.2 SW4.1 SW4.2 U1.1 U1.9 U1.13 U2.2 U3.5 U4.2 U4.7 U4.11 U5.3 U5.8 U5.13 U5.18 U5.21 U6.5 U6.6 U6.7 U6.9 U6.11 U6.17 U6.18 U6.19 U6.21 U7.3 U7.8 U7.13 U7.18 U7.21 U8.2 U8.4 U8.5 U8.6 U8.7 U8.8 U8.9 U8.10 U8.11 U8.12 U8.17 U8.18 U8.19 U8.21 U9_DACL.8 U9_DACR.8 U10_DACL.2 U10_DACL.13 U10_DACL.14 U10_DACL.15 U10_DACL.17 U10_DACL.20 U10_DACL.22 U10_DACL.23 U10_DACL.25 U10_DACR.2 U10_DACR.13 U10_DACR.14 U10_DACR.15 U10_DACR.17 U10_DACR.20 U10_DACR.22 U10_DACR.23 U10_DACR.25 U14.3 U15.2 U16.54 U16.65 X1.2 X2.2 X3.2 | length 5370.4